# Altium PCB 2024001 A Soutra Plainsong Metronome_PCB.PcbDoc (part 2 of 2)
Units mm, origin at the board's own origin, x right, y up, seen from the top; angles counter-clockwise.
Board outline 140 x 92 mm, 4 copper layers (Top Layer, Layer 1, Layer 2, Bottom Layer), stack 1.587 mm thick; 157 components, 85 nets, 494 pads, 475 vias.
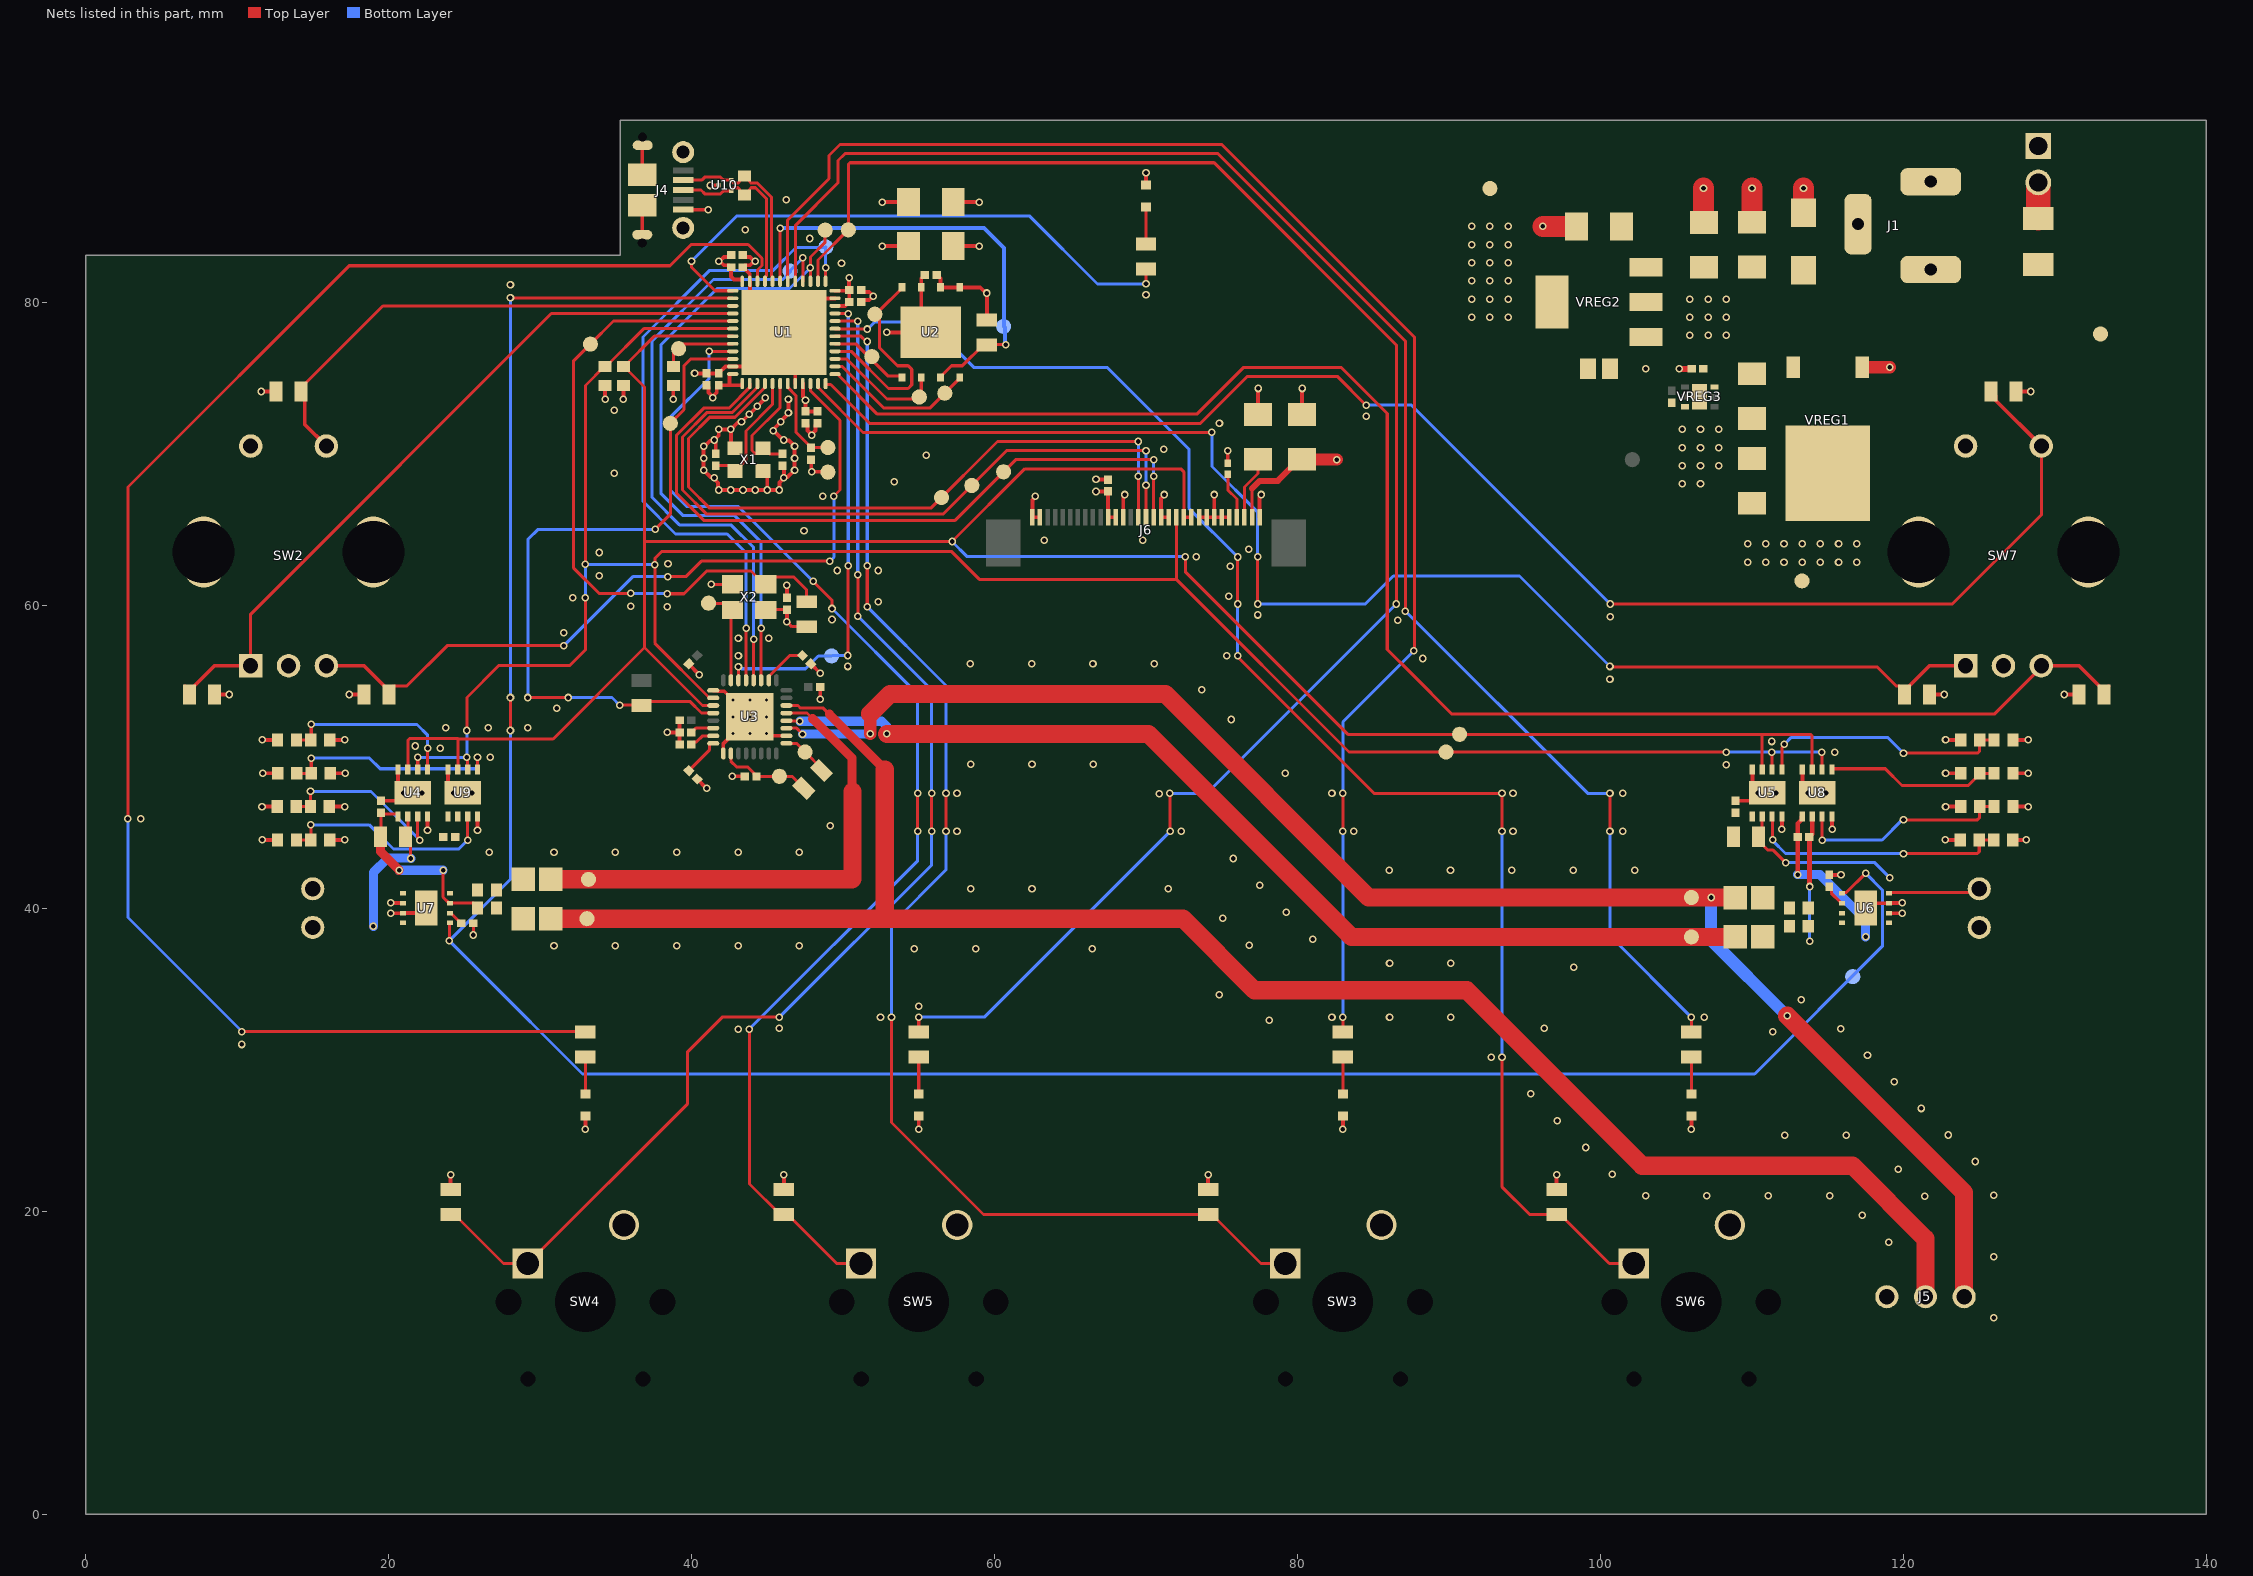
[diagram p4: the nets of this part, all layers, seen from the top]

## Via types
v1: diameter 0.5, hole 0.3, Top Layer to Bottom Layer, 443 vias
v2: diameter 2.5, hole 2.5, Top Layer to Bottom Layer, 10 vias
v3: diameter 0.5, hole 0.2, Top Layer to Bottom Layer, 9 vias
v4: diameter 0.66, hole 0.33, Top Layer to Bottom Layer, tented top, 8 vias
v5: diameter 5.5, hole 3.5, Top Layer to Bottom Layer, 5 vias

## Nets (pads, with @x,y where several pads share a name; then routed paths per layer and width w, separated by ;. In a path a pad name is that pad's centre, name@x,y a point inside that pad or via, vN(x,y) a via of type N, cw(c..) or ccw(c..) an arc to the next point about the centre after c; other vN are vias at no path point) (continued)
+3V3: C6.1 C9.1 C10.1 C11.1 C12.1 C13.1 C14.1 C15.1 C16.1 C17.1 C18.1 C25.1 C41.2 C44.1 J6.11 J6.12 R1.2 R2.2 R3.2 R4.2 R5.2 R31.2 R32.2 R33.2 R34.2 R35.2 R36.2 R37.2 R42.2 R43.2 R44.2 TP3.1 U1.1 U1.9 U1.22 U1.24 U1.36 U1.48 U2.5 U2.6 VREG2.2 VREG2.4 X2.4 | length 43.2
  Top Layer w0.2: X2.4@44.935,59.71 C25.1@46.3,59.71 ; v1(46.3,58.9) 46.625,58.575 R5.2@47.6,58.575 R5.2@47.325,58.85 ; v1@46.3,59.01 v1@46.46,58.85
  Top Layer w0.254: R33.2@8.525,54.1 v1(9.5,54.1) ; v1(11.6,74.1) R31.2@12.575,74.1 ; v1(17.4,54.1) R32.2@18.375,54.1 ; R35.2@24.1,21.425 v1(24.1,22.4) ; v1(34.3,73.6) R2.2@34.3,74.5 ; v1(35.5,73.6) R3.2@35.5,74.5 ; v1(38.8,73.6) R1.2@38.8,74.5 ; C12.1@41,74.51 41.133,74.377 41.133,74.034 v1@41.4,73.767 ; v1(41.4,73.7) v1@41.4,73.767 ; v1(41.8,82.7) v1@41.867,82.7 ; C15.1@42.61,83.1 42.477,82.967 42.134,82.967 v1@41.867,82.7 ; U1.48@42.725,75.25 42.502,75.25 42.5,75.248 42.5,74.51 ; U1.1@43.35,74.625 43.35,74.512 43.348,74.51 42.5,74.51 ; U1.36@43.35,81.375 43.35,81.498 43.348,81.5 42.8,81.5 42.61,81.69 C16.1@42.61,82.3 42.477,82.433 42.134,82.433 v1@41.867,82.7 ; R36.2@46.1,21.425 v1(46.1,22.4) ; v1(46.3,58.9) 46.3,59.01 C25.1@46.3,59.71 ; U1.9@47.35,74.625 47.35,73.767 47.525,73.592 C17.1@47.525,72.79 C18.1@48.325,72.79 ; U1.22@49.475,79.75 49.477,79.752 50.142,79.752 50.39,80 C11.1@50.41,80 C10.1@50.41,80.8 ; U1.24@49.475,80.75 50.259,80.75 C10.1@50.404,80.605 ; v1@50.4,81.4 v1@50.405,81.395 ; C10.1@50.405,80.805 v1@50.405,81.395 ; v1@50.405,81.595 v1@50.405,81.395 ; C44.1@56.19,81.8 56.21,81.8 56.435,81.575 U2.6@56.435,80.975 U2.5@57.705,80.975 59.058,80.975 59.433,80.6 v1(59.5,80.6) R4.2@59.5,78.825 ; C13.1@57.276,83.7 v1@58.911,83.7 ; C9.1@57.276,86.6 v1@58.97,86.6 ; v1(66.7,67.5) 66.705,67.505 67.495,67.505 C41.2@67.5,67.51 J6.11@67.5,65.8 J6.12@68,65.8 ; R34.2@74.1,21.425 v1(74.1,22.4) ; R37.2@97.1,21.425 v1(97.1,22.4) ; R44.2@121.725,54.1 v1(122.7,54.1) ; R42.2@127.425,74.1 v1(128.4,74.1) ; v1(130.6,54.1) R43.2@131.575,54.1 ; v1@41.4,73.767 41.667,74.034 41.667,74.377 C14.1@41.8,74.51 42.5,74.51
  other v1: 47.525,73.525 91.5,79 92.7,79 93.9,79 91.5,80.2 92.7,80.2 93.9,80.2 91.5,81.4 92.7,81.4 93.9,81.4 50.4,81.6 91.5,82.6 92.7,82.6 93.9,82.6 59,83.7 91.5,83.8 92.7,83.8 93.9,83.8 91.5,85 92.7,85 93.9,85 59,86.6
+5V: C2.1 R14.2 R15.2 R16.2 R17.2 R18.2 R19.2 R20.2 R21.2 TP2.1 U4.8 U5.8 U6.6 U7.6 U8.8 U9.8 VREG1.2 | length 13.2
  Top Layer w0.254: R15.2@16.1,46.7 v1(17.1,46.7) ; R17.2@16.125,44.5 v1(17.125,44.5) ; R14.2@16.125,51.1 v1(17.125,51.1) ; R16.2@16.15,48.9 v1(17.15,48.9) ; v1(20.15,40.35) 20.162,40.338 20.937,40.338 U7.6@20.95,40.325 ; v1(22.575,45.13) U4.8@22.575,46.05 ; v1(25.875,45.13) U9.8@25.875,46.05 ; v1(111.975,45.2) U5.8@111.975,46.05 ; U8.8@115.275,46.05 115.287,46.038 115.287,45.213 v1(115.3,45.2) ; U6.6@119.05,39.675 119.062,39.662 119.913,39.662 v1(119.925,39.65) ; v1(122.75,44.5) R19.2@123.75,44.5 ; v1(122.775,46.7) R21.2@123.775,46.7 ; v1(122.775,48.9) R20.2@123.775,48.9 ; v1(122.775,51.1) R18.2@123.775,51.1
  other v1: 109.712,62.84 110.912,62.84 112.112,62.84 113.312,62.84 114.512,62.84 115.712,62.84 116.912,62.84 109.712,64.04 110.912,64.04 112.112,64.04 113.312,64.04 114.512,64.04 115.712,64.04 116.912,64.04
+9V: C1.1 C3.1 C4.1 C5.1 C7.1 C43.1 D1.1 F1.2 J6.30 TP1.1 VREG1.3 VREG2.3 VREG3.6 | length 8.3
  Top Layer w0.2: J6.30@77,65.8 77,67.7 ; C43.1@80.124,69.624 C43.1@80.3,69.624 C43.1@80.324,69.6
  Top Layer w0.4: 77,67.7 77.5,68.2 78.7,68.2 C43.1@80.124,69.624
  Top Layer w0.8: C43.1@80.324,69.6 v1(82.6,69.6)
  other v1: 105.9,77.8 107.1,77.8 108.3,77.8 105.9,79 107.1,79 108.3,79 105.9,80.2 107.1,80.2 108.3,80.2
\A\M\P\_\S\H\D\N\: TP31.1 U1.38 U6.1 U7.1 | length 169.1
  Top Layer w0.2: v1(24,37.85) 24.025,37.875 24.025,39 U7.1@24.05,39.025 ; v1(28.05,51.725) v1(28.05,53.9) ; v1(28.05,80.3) 28.09,80.26 42.715,80.26 U1.38@42.725,80.25 ; U6.1@115.95,40.975 116,41.025 116.225,41.025 v1(117.5,42.3)
  Bottom Layer w0.2: v1(28.05,51.725) 28.05,41.9 v1(24,37.85) 26.025,35.825 32.8,29.05 110.175,29.05 118.6,37.475 118.6,41.2 v1(117.5,42.3) ; v1(28.05,53.9) v1(28.05,80.3)
\C\O\D\E\C\_\I\R\Q\: R6.1 TP11.1 U1.46 U3.4 | length 47
  Top Layer w0.2: v1(29.2,53.9) v1(31.875,53.9) ; v1(35.25,53.4) 36.675,53.4 R6.1@36.7,53.375 36.975,53.65 39.889,53.65 40.664,52.875 U3.4@41.435,52.875 ; v1(37.6,65) 38.6,66 TP11.1@38.6,72 39.5,72.9 39.5,75.8 39.95,76.25 U1.46@42.725,76.25
  Bottom Layer w0.2: v1(29.2,53.9) 29.2,64.325 29.875,65 v1(37.6,65) ; v1(31.875,53.9) 34.75,53.9 v1(35.25,53.4)
\C\S\: TP16.1 U1.14 U2.4 | length 10.2
  Top Layer w0.2: U1.14@49.475,75.75 49.95,75.75 52.7,73 55.73,73 57.705,74.975 U2.4@57.705,75.025
\O\L\E\D\_\C\S\: J6.15 TP17.1 U1.4 | length 47
  Top Layer w0.2: U1.4@44.85,74.625 44.85,74.375 42.875,72.4 41.2,72.4 39.8,71 39.8,67.8 41.2,66.4 55.8,66.4 60.2,70.8 v1(69.5,70.8) ; J6.15@69.5,65.8 v1(69.5,68.5)
  Bottom Layer w0.2: v1(69.5,68.5) v1(69.5,70.8)
\O\L\E\D\_\R\E\S\E\T\: J6.16 TP18.1 U1.3 | length 47.5
  Top Layer w0.2: U1.3@44.35,74.625 44.35,74.375 42.675,72.7 41,72.7 39.4,71.1 39.4,67.6 41,66 56.6,66 60.8,70.2 v1(70,70.2) ; J6.16@70,65.8 v1(70,67.9)
  Bottom Layer w0.2: v1(70,67.9) v1(70,70.2)
BOOT0: R1.1 TP9.1 U1.44 | length 5.6
  Top Layer w0.2: R1.1@39.125,76.025 38.85,75.75 R1.1@38.8,75.75 38.8,76.8 39.016,76.8 39.466,77.25 U1.44@42.725,77.25
CANCEL_LED: R40.1 TP32.1 U1.26 | length 112.1
  Top Layer w0.2: U1.26@48.35,81.375 48.35,82.775 TP32.1@50.35,84.775 50.35,89.083 50.467,89.2 74.5,89.2 86.525,77.175 v1(86.525,60.075) ; R40.1@55,31.825 v1(55,32.8) ; v1(71.575,47.575) 71.587,47.563 71.587,45.087 v1(71.6,45.075)
  Bottom Layer w0.2: v1(55,32.8) 59.325,32.8 v1(71.6,45.075) ; v1(71.575,47.575) 74.025,47.575 v1(86.525,60.075)
D_N: J4.2 R46.1 U1.32 U10.2 | length 12.6
  Top Layer w0.2: J4.2@39.45,88.05 40.672,88.05 40.872,88.25 41.92,88.25 42.12,88.05 U10.2@42.625,88.05 42.675,88 42.675,87.967 42.792,87.85 43.075,87.85 43.175,87.95 43.175,88.05 43.45,88.325 R46.1@43.5,88.325 43.55,88.325 43.825,88.05 43.825,87.967 43.942,87.85 44.349,87.85 45.275,86.924 45.275,81.713 45.35,81.639 U1.32@45.35,81.375
D_P: J4.3 R46.2 U1.33 U10.1 | length 12.1
  Top Layer w0.2: J4.3@39.45,87.4 40.622,87.4 40.872,87.15 41.92,87.15 42.12,87.35 U10.1@42.625,87.35 42.675,87.4 42.675,87.45 42.775,87.55 43.075,87.55 43.175,87.45 43.175,87.35 43.45,87.075 R46.2@43.5,87.075 43.55,87.075 43.825,87.35 43.825,87.433 43.942,87.55 44.225,87.55 44.95,86.825 44.95,81.739 44.86,81.648 44.86,81.385 U1.33@44.85,81.375
FLASH_RESET: R4.1 TP19.1 U1.31 U2.3 | length 30.5
  Top Layer w0.2: U1.31@45.851,81.376 v1(45.852,84.887) ; U2.3@56.435,75.025 56.435,75.075 57.16,75.8 57.875,75.8 59.25,77.175 R4.1@59.5,77.175 ; R4.1@59.525,77.2 v1(60.75,77.2)
  Top Layer w0.254: R4.1@59.5,77.175 R4.1@59.525,77.2
  Bottom Layer w0.254: v1(45.852,84.887) 59.313,84.887 60.633,83.567 60.633,78.4 60.703,78.33 60.703,77.247 v1(60.75,77.2)
GND: C1.2 C2.2 C3.2 C4.2 C5.2 C6.2 C7.2 C8.2 C9.2 C10.2 C11.2 C12.2 C13.2 C14.2 C15.2 C16.2 C17.2 C18.2 C19.2 C20.2 C21.2 C22.2 C23.2 C24.2 C25.2 C26.2 C27.2 C28.2 C29.2 C30.2 C31.2 C32.2 C37.2 C38.2 C41.1 C42.2 C43.2 C44.2 D1.2 D4.1 D5.1 D6.1 D7.1 D10.1 J1.2 J1.3 J4.5 J4.6 J4.7 J4.8 J4.9 J4.10 J4.11 J5.1 J6.1 J6.2 J6.13 J6.18 J6.19 J6.23 J6.24 J6.25 J6.26 J6.27 J6.31 R22.1 R23.1 R24.1 R25.1 R26.1 R27.1 R28.1 R29.1 R30.1 SW2.1 SW2.3 SW2.4 SW2.C SW3.2 SW4.2 SW5.2 SW6.2 SW7.1 SW7.3 SW7.4 SW7.C TP6.1 U1.8 U1.23 U1.35 U1.47 U1.49 U2.7 U2.9 U3.1 U3.9 U3.18 U3.33 U4.4 U4.9 U5.4 U5.9 U6.7 U6.9 U7.7 U7.9 U8.4 U8.9 U9.4 U9.9 U10.3 VREG1.1 VREG2.1 VREG3.3 VREG3.7 X1.2 X1.4 X2.2 | length 128.3
  Top Layer w0.2: C38.2@25.59,39 25.595,38.995 25.595,38.23 v1(25.6,38.225) ; v1(41.3,61.375) X2.2@42.7,61.375 ; J6.1@62.5,65.8 J6.2@63,65.8 ; J6.18@71,65.8 J6.19@71.5,65.8 ; J6.23@73.5,65.8 J6.24@74,65.8 J6.25@74.5,65.8 J6.26@75,65.8 J6.27@75.5,65.8
  Top Layer w0.254: v1(11.65,46.7) R23.1@12.65,46.7 ; v1(11.675,44.5) R25.1@12.675,44.5 ; v1(11.675,51.1) R22.1@12.675,51.1 ; v1(11.7,48.9) R24.1@12.7,48.9 ; C32.2@19.5,47.09 20.527,47.09 21,47.563 v4(21,47.6) 20.625,47.975 U4.4@20.625,49.15 ; v1(20.15,39.65) 20.162,39.662 20.938,39.662 U7.7@20.95,39.675 22.175,39.675 U7.9@22.5,40 ; U9.4@23.925,49.15 23.925,47.975 v4(24.3,47.6) ; v1(33,25.4) D5.1@33,26.275 ; J4.11@36.75,83.9 J4.10@36.75,86.4 ; J4.9@36.75,88.4 36.75,90.875 J4.8@36.775,90.9 ; v1(38.4,51.6) C30.2@39.21,51.6 ; C27.2@39.21,50.8 C30.2@39.21,51.6 ; C23.2@39.21,52.4 C30.2@39.21,51.6 ; J4.5@39.45,86.1 v1(41.1,86.1) ; C24.2@39.824,56.124 39.824,56.1 40.5,55.424 v1(40.5,55.4) ; v1(40.2,75.3) 40.205,75.295 40.995,75.295 C12.2@41,75.29 C14.2@41.8,75.29 41.8,75.31 42.238,75.748 42.723,75.748 U1.47@42.725,75.75 43.85,75.75 U1.49@43.9,75.8 ; C29.2@40.376,48.524 v1(41,47.9) ; v1(41.25,87.7) U10.3@41.775,87.7 ; U3.1@41.435,54.375 41.697,54.375 41.72,54.352 41.741,54.352 41.78,54.313 42.162,54.313 v3(42.75,53.725) ; C20.2@41.6,69.99 v1@41.6,70.733 ; U3.9@42.1,50.21 42.1,50.875 v3(42.75,51.525) ; v1(42.7,48.7) C26.2@43.51,48.7 ; X1.4@42.875,70.35 42.6,70.625 v1(42.6,71.6) ; C15.2@43.39,83.1 43.523,82.967 43.866,82.967 v1@44.133,82.7 ; U1.49@43.9,80.2 43.85,80.25 U1.35@43.85,81.375 43.848,81.377 43.848,81.862 43.41,82.3 C16.2@43.39,82.3 43.523,82.433 43.866,82.433 v1@44.133,82.7 ; v1(44.2,82.7) v1@44.133,82.7 ; X1.2@44.725,68.85 45,68.575 v1(45,67.6) ; v1(44.875,73.675) 44.875,73.662 44.35,73.137 v1(44.35,73.125) v1(43.825,72.6) 43.813,72.6 43.313,72.1 v1(43.3,72.1) 43.253,72.053 43.053,72.053 v1(42.6,71.6) ; v3(44.95,51.525) 45.1,51.375 U3.18@46.265,51.375 ; C21.2@46,69.21 46.1,69.11 v1(46.1,68.4) ; v1(46.1,70.9) 46.05,70.9 45.45,71.5 v1(45.4,71.5) 45.4,71.6 v1(45.9,72.1) 45.9,72.15 46.4,72.65 v1(46.4,72.7) v1(46.4,73.6) ; v1@46.142,70.858 46.442,70.858 v1(46.8,70.5) v1(46.8,69.7) v1(46.8,68.9) 46.347,68.447 46.147,68.447 v1(46.1,68.4) ; C25.2@46.3,60.49 v1(46.3,61.3) ; U1.8@46.85,74.625 46.85,75.45 U1.49@47.2,75.8 ; C17.2@47.525,72.01 47.658,71.877 47.658,71.534 v1@47.925,71.267 ; C28.2@47.876,56.124 v1(48.5,55.5) v1@48.495,55.495 ; v1@47.9,68.975 C19.2@47.9,69.61 ; v1@47.925,68.975 v1(47.925,68.8) 48.975,68.8 TP6.1@49,68.775 ; v1(47.925,71.2) v1@47.925,71.267 ; U1.49@48.3,80.2 48.35,80.25 U1.23@49.475,80.25 ; C18.2@48.325,72.01 48.192,71.877 48.192,71.534 v1@47.925,71.267 ; C22.2@48.495,54.605 C22.2@48.49,54.6 48.495,54.595 48.495,53.805 v1(48.5,53.8) ; C11.2@51.323,80.133 51.733,80.133 v1(52,80.4) 51.733,80.667 C10.2@51.323,80.667 ; v1@52.571,86.6 C9.2@54.324,86.6 ; v1@52.606,83.7 C13.2@54.324,83.7 ; v1(52.9,78) U2.9@55.8,78 55.165,78.635 U2.7@55.165,80.975 55.165,81.575 55.39,81.8 C44.2@55.41,81.8 ; v1(55,25.4) D6.1@55,26.275 ; J6.1@62.5,65.8 62.5,66.933 62.7,67.133 v1(62.7,67.2) ; v1(66.7,68.3) 66.705,68.295 67.495,68.295 C41.1@67.5,68.29 ; J6.13@68.5,65.8 68.5,67.133 68.6,67.233 v1(68.6,67.3) ; D10.1@70,87.725 v1(70,88.55) ; J6.18@71,65.8 71,67.033 71.2,67.233 v1(71.2,67.3) ; J6.25@74.5,65.8 v1(74.5,67.3) ; R30.1@75.4,69.375 v1(75.4,70.2) ; C42.2@77.4,72.576 v1(77.4,74.3) ; J6.31@77.5,65.8 77.5,67.133 77.6,67.233 v1(77.6,67.3) ; C43.2@80.3,72.576 v1(80.3,74.3) ; v1(83,25.4) D4.1@83,26.275 ; v1(106,25.4) D7.1@106,26.275 ; C3.2@106.8,85.284 C3.2@106.828,85.256 ; C31.2@108.9,47.09 109.927,47.09 110.4,47.563 v4(110.4,47.6) 110.025,47.975 U5.4@110.025,49.15 ; C4.2@109.992,85.276 C4.2@110,85.285 ; U8.4@113.325,49.15 113.325,47.975 v4(113.7,47.6) ; C37.2@115.1,42.19 115.105,42.195 115.87,42.195 v1(115.875,42.2) ; U6.9@117.5,40 117.825,40.325 U6.7@119.05,40.325 119.063,40.338 119.913,40.338 v1(119.925,40.35) ; R27.1@127.2,44.5 v1(128.1,44.5) ; R29.1@127.225,46.7 v1(128.225,46.7) ; R28.1@127.225,48.9 v1(128.225,48.9) ; R26.1@127.225,51.1 v1(128.225,51.1) ; v1(42.6,71.6) v1(41.8,71.6) 41.8,71.2 v1(41.5,70.9) 41.453,70.853 41.219,70.853 40.867,70.5 v1(40.8,70.5) v1(40.8,69.7) v1(40.8,68.9) 41.253,68.447 41.453,68.447 v1(41.5,68.4) 41.5,68.333 41.753,68.081 41.753,67.647 v1(41.8,67.6) v1(42.6,67.6) v1(43.4,67.6) v1(44.2,67.6) v1(45,67.6) ; v1(45,67.6) v1(45.8,67.6) 45.8,68.1 v1(46.1,68.4)
  Top Layer w0.4: v1(105.2,75.6) C7.2@106.01,75.6
  Top Layer w0.8: VREG1.1@117.28,75.7 v1(119.1,75.7)
  Top Layer w1.4: v1(96.2,85) C5.2@98.424,85 ; C3.2@106.8,85.284 v1(106.8,87.525) ; C4.2@110,85.285 v1(110,87.525) ; D1.2@113.4,85.9 v1(113.4,87.525)
  other v1: 125.95,12.95 125.95,17 119.025,17.95 117.275,19.725 121.4,20.975 102.975,21.025 107.025,21.025 111.075,21.025 115.125,21.025 125.95,21.05 100.775,22.425 119.65,22.75 124.725,23.275 99.025,24.2 112.175,25 116.225,25 122.95,25.025 97.15,25.975 121.175,26.775 95.4,27.75 119.4,28.525 92.775,30.15 117.625,30.275 10.325,31 111.375,31.85 43.075,32 115.85,32.025 45.8,32.075 96.3,32.075 78.125,32.6 52.475,32.8 82.275,32.8 86.075,32.8 90.125,32.8 106.85,32.8 55,33.525 113.25,33.95 74.825,34.275 98.225,36.1 86.075,36.35 90.125,36.35 54.7,37.325 58.75,37.325 66.45,37.325 30.925,37.525 34.975,37.525 39.025,37.525 43.075,37.525 47.125,37.525 76.825,37.55 81,37.95 75.075,39.325 79.25,39.725 58.425,41.275 62.475,41.275 71.475,41.275 77.5,41.5 86.05,42.5 90.1,42.5 94.15,42.5 98.2,42.5 102.25,42.5 75.75,43.275 26.65,43.675 30.925,43.675 34.975,43.675 39.025,43.675 43.075,43.675 47.125,43.675 57.525,45.075 72.325,45.075 83.725,45.075 94.225,45.075 101.475,45.075 49.15,45.45 3.65,45.9 57.525,47.575 70.862,47.563 82.275,47.575 94.225,47.575 101.475,47.575 79.2,48.9 108.3,49.45 58.425,49.5 62.475,49.5 66.525,49.5 26.725,49.95 115.45,50.3 23.425,50.55 21.775,50.7 111.3,51 23.775,51.9 26.575,51.9 29.2,51.9 75.625,52.45 31.1,53.2 73.675,54.4 100.625,55.1 50.325,55.95 58.4,56.125 62.45,56.125 66.5,56.125 70.55,56.125 88.275,56.475 43.1,56.65 75.325,56.65 43.1,57.8 45.1,57.8 31.575,58.175 86.625,59 49.275,59.05 100.65,59.225 77.375,59.35 38.4,59.9 36,59.925 52.33,60.216 32.15,60.5 75.45,60.575 33.902,61.927 49.616,62.284 52.33,62.284 75.55,62.575 38.45,62.725 73.325,63.2 33.902,63.473 76.775,63.7 63.275,64.275 69.775,64.275 47.425,64.9 48.675,67.2 105.4,68 106.6,68 53.387,68.138 34.9,68.7 105.4,69.2 106.6,69.2 107.8,69.2 55.5,69.9 71.175,70.29 105.4,70.4 106.6,70.4 107.8,70.4 105.4,71.6 106.6,71.6 107.8,71.6 74.85,72 84.525,72.475 34.9,72.85 103,75.6 70,80.475 28.05,81.15 49.9,82.575 52.6,83.7 47.8,84.2 43.55,84.775 52.6,86.6 46.252,86.752
  other v3: 43.85,51.525 42.75,52.625 43.85,52.625 44.95,52.625 43.85,53.725 44.95,53.725
  other v4: 22.2,47.6 25.5,47.6 111.6,47.6 114.9,47.6
I2S_CK: TP12.1 U1.21 U3.30 | length 32
  Top Layer w0.2: U3.30@43.1,55.04 v1(43.1,55.925) ; U1.21@49.475,79.25 49.485,79.24 v1(50.346,79.24) ; v1(50.325,56.675) 50.335,56.685 50.335,62.59 v1(50.346,62.6)
  Bottom Layer w0.2: v1(43.1,55.925) 43.181,55.925 43.306,55.8 47.525,55.8 48.367,56.642 49.242,56.642 TP12.1@49.25,56.65 49.262,56.663 50.313,56.663 v1(50.325,56.675) ; v1(50.346,62.6) v1(50.346,79.24)
I2S_EXT_SD: TP14.1 U1.27 U3.27 | length 42.6
  Top Layer w0.2: U3.27@44.6,55.04 v1(44.6,58.475) ; U1.27@47.85,81.375 47.85,82.975 48.825,83.95 TP14.1@48.825,84.75
  Bottom Layer w0.2: v1(44.6,58.475) 44.6,64.15 42.85,65.9 39.45,65.9 38,67.35 38,77.2 41.7,80.9 46.475,80.9 v1(47.85,82.275)
I2S_SD: TP15.1 U1.28 U3.28 | length 41
  Top Layer w0.2: U3.28@44.1,55.04 v1(44.1,57.75) ; U1.28@47.35,81.375 v1(47.35,82.925)
  Bottom Layer w0.2: v1(44.1,57.75) 44.1,63.8 42.6,65.3 39.2,65.3 37.4,67.1 37.4,77.45 41.45,81.5 46.023,81.5 TP15.1@46.537,82.013 ; TP15.1@46.5,82.05 46.5,82.062 47.35,82.912 v1(47.35,82.925)
I2S_WS: TP13.1 U1.25 U3.29 | length 44.3
  Top Layer w0.2: U3.29@43.6,55.04 v1(43.6,58.475) ; U1.25@48.85,81.375 v1(48.85,82.275)
  Bottom Layer w0.2: v1(43.6,58.475) 43.6,63.45 42.35,64.7 38.95,64.7 36.8,66.85 36.8,77.7 41.2,82.1 45.4,82.1 46.9,83.6 48.827,83.6 TP13.1@48.858,83.631 ; v1(48.85,82.275) 48.858,82.283 TP13.1@48.858,83.631 ; TP13.1@48.866,83.639 TP13.1@48.858,83.631
JACKSNS: R7.1 TP26.1 U3.17 | length 3.1
  Top Layer w0.2: U3.17@46.265,50.875 46.925,50.875 TP26.1@47.5,50.3 48.583,49.217 R7.1@48.583,49.083
L+_DPOT_A0: R14.1 R22.2 U4.1 | length 12.2
  Top Layer w0.2: R22.2@13.925,51.1 R14.1@14.875,51.1 14.9,51.125 v1(14.9,52.125) ; U4.1@22.575,49.15 22.58,49.155 22.58,50.545 v1(22.585,50.55)
  Bottom Layer w0.2: v1(14.9,52.125) 21.875,52.125 22.585,51.415 v1(22.585,50.55)
L+_DPOT_A1: R15.1 R23.2 U4.7 | length 12.1
  Top Layer w0.2: R23.2@13.9,46.7 R15.1@14.85,46.7 v1(14.85,47.7) ; U4.7@21.925,46.05 21.925,44.706 22.075,44.556 v1(22.075,44.475)
  Bottom Layer w0.2: v1(14.85,47.7) 18.85,47.7 v1(22.075,44.475)
L-_DPOT_A0: R16.1 R24.2 U9.1 | length 14.7
  Top Layer w0.2: R24.2@13.95,48.9 R16.1@14.9,48.9 v1(14.9,49.9) ; U9.1@25.875,49.15 v1(25.875,49.95)
  Bottom Layer w0.2: v1(14.9,49.9) 18.75,49.9 19.45,49.2 25.725,49.2 25.875,49.35 v1(25.875,49.95)
L-_DPOT_A1: R17.1 R25.2 U9.7 | length 14.8
  Top Layer w0.2: R25.2@13.925,44.5 R17.1@14.875,44.5 v1(14.875,45.5) ; U9.7@25.225,46.05 25.227,46.048 25.227,44.491 v1(25.228,44.489)
  Bottom Layer w0.2: v1(14.875,45.5) 18.725,45.5 20.325,43.9 24.639,43.9 v1(25.228,44.489)
LOUT+: C34.1 J5.2 TP25.1 U3.22 | length 121.4
  Top Layer w0.2: U3.22@46.265,53.375 47.025,53.375 47.2,53.2 48.7,53.2 49.1,52.8